# Altium PCB adafruit flora mainboard 2 -  4拼版.PcbDoc (part 2 of 2)
Units mm, origin at the board's own origin, x right, y up, seen from the top; angles counter-clockwise.
Board outline 100 x 100 mm, 16 copper layers (Top, Route2, Route3, Route4, Route5, Route6, Route7, Route8, Route9, Route10, Route11, Route12, Route13, Route14, Route15, Bottom), stack 0.888 mm thick; 220 components, 39 nets, 636 pads, 188 vias.
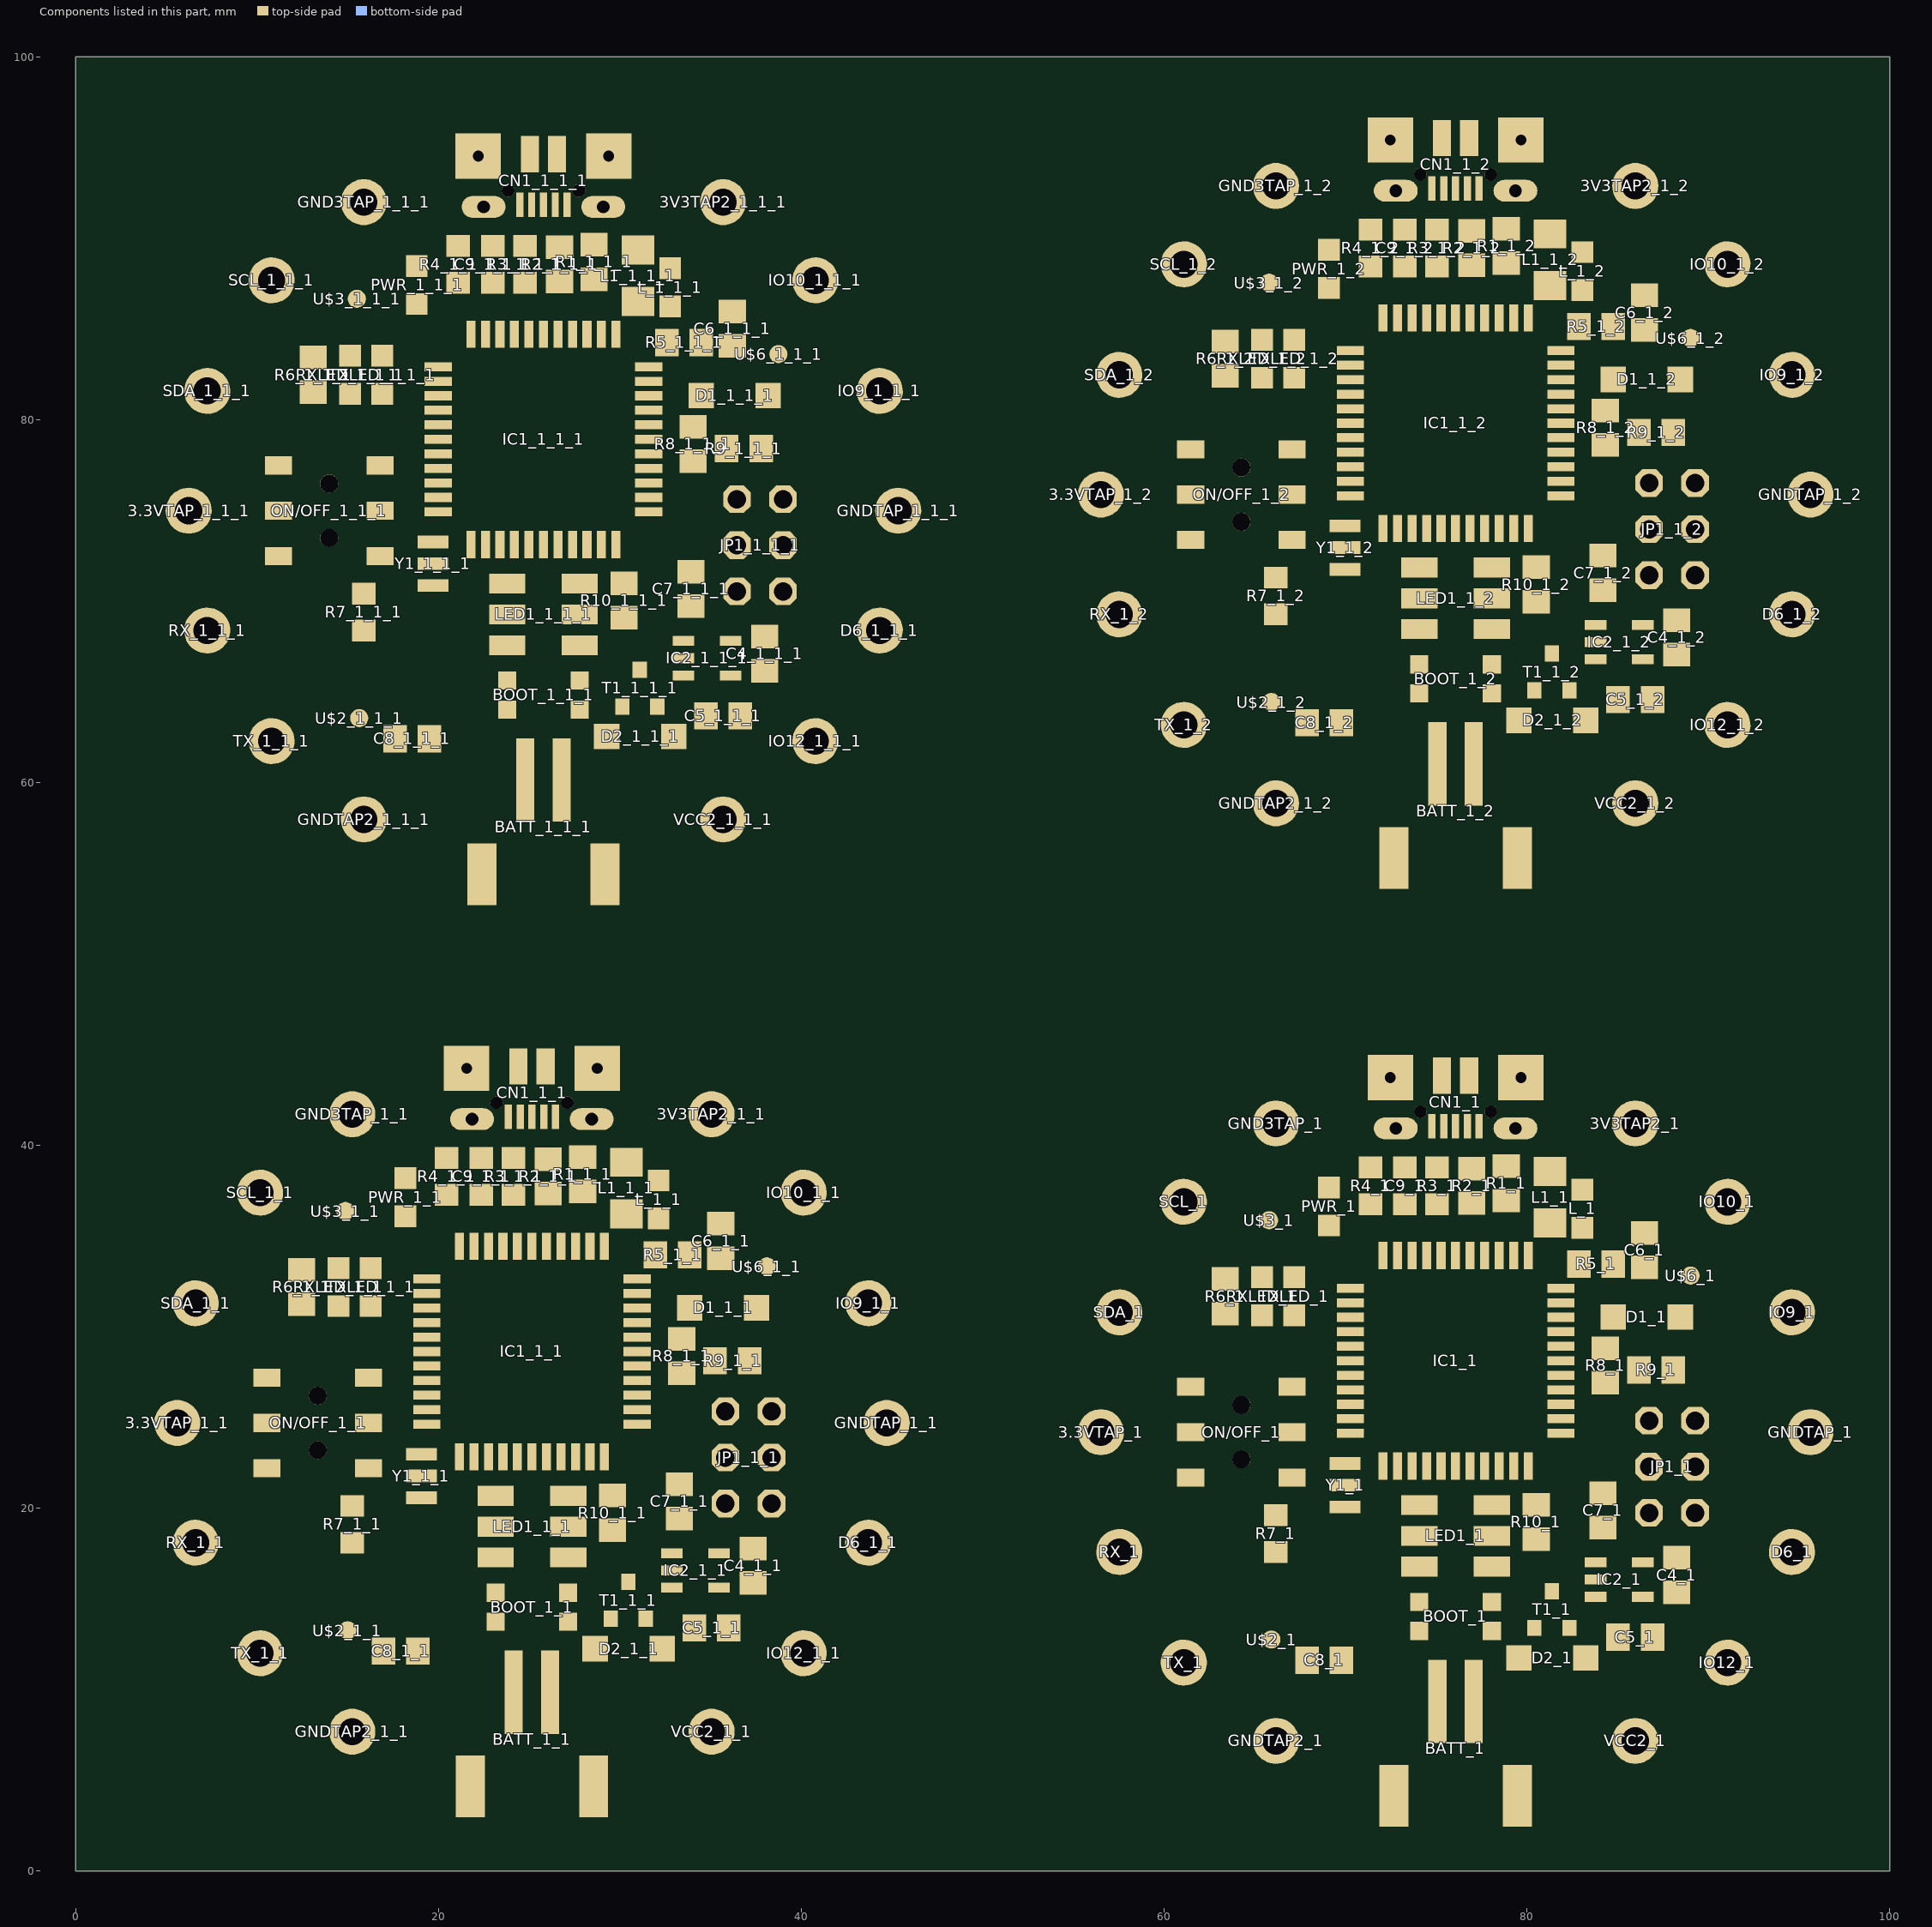
[diagram p2: the components of this part, seen from the top]

## Via types
v1: diameter 0.8/0.8/0.8/0.8/0.8/0.8/0.8/0.8/0.8/0.8/0.8/0.8/0.8/0.8/0.8/0.8 (per signal layer), hole 0.394, Top to Bottom, tented both sides, 188 vias

## Nets (pads, with @x,y where several pads share a name; then routed paths per layer and width w, separated by ;. In a path a pad name is that pad's centre, name@x,y a point inside that pad or via, vN(x,y) a via of type N, cw(c..) or ccw(c..) an arc to the next point about the centre after c; other vN are vias at no path point) (continued)
copper on no net: | length 2702.6
  Top w0.254: 6.604,18.089 12.954,18.089 13.97,19.105 16.256,19.105 16.256,20.248 17.272,21.264 17.272,25.582 17.92,26.23 19.346,26.23 ; 7.239,68.381 13.589,68.381 14.605,69.397 16.891,69.397 16.891,70.54 17.907,71.556 17.907,75.874 18.555,76.522 19.981,76.522 ; 9.906,28.63 10.414,28.122 13.208,28.122 15.367,25.963 16.891,25.963 17.907,26.979 18.161,27.004 18.136,27.03 19.346,27.03 ; 10.16,11.993 11.049,11.993 16.383,17.327 16.383,18.343 16.764,18.724 16.764,19.867 17.78,20.883 17.78,25.201 18.034,25.455 19.304,25.455 19.329,25.43 19.346,25.43 ; 10.541,78.922 11.049,78.414 13.843,78.414 16.002,76.255 17.526,76.255 18.542,77.271 18.796,77.296 18.771,77.322 19.981,77.322 ; 10.795,62.285 11.684,62.285 17.018,67.619 17.018,68.635 17.399,69.016 17.399,70.159 18.415,71.175 18.415,75.493 18.669,75.747 19.939,75.747 19.964,75.722 19.981,75.722 ; 10.922,12.755 10.922,13.009 ; 11.557,63.047 11.557,63.301 ; 12.48,33.236 14.478,33.236 ; 13.115,83.528 15.113,83.528 ; v1(13.716,16.438) 15.24,17.962 15.24,18.089 ; v1(14.351,66.73) 15.875,68.254 15.875,68.381 ; 14.478,31.136 14.478,31.678 14.986,32.186 17.272,32.186 20.828,35.742 23.114,35.742 23.495,35.361 23.495,34.48 ; 15.113,81.428 15.113,81.97 15.621,82.478 17.907,82.478 21.463,86.034 23.749,86.034 24.13,85.653 24.13,84.772 ; 15.24,20.121 13.904,21.391 v1(13.843,21.391) 14.478,22.026 14.478,24.693 15.621,24.693 ; 15.875,70.413 14.539,71.683 v1(14.478,71.683) 15.113,72.318 15.113,74.985 16.256,74.985 ; 16.256,31.136 16.417,31.136 ; 16.29,33.202 16.256,33.236 17.145,33.329 20.447,36.631 20.447,37.266 ; 16.383,31.17 16.417,31.136 ; 16.891,81.428 17.052,81.428 ; 16.925,83.494 16.891,83.528 17.78,83.621 21.082,86.923 21.082,87.558 ; 17.018,81.462 17.052,81.428 ; v1(17.145,28.63) 16.417,29.358 16.417,31.136 ; v1(17.526,31.17) 18.034,30.662 18.034,28.122 18.326,27.829 19.346,27.829 ; v1(17.78,78.922) 17.052,79.65 17.052,81.428 ; v1(17.907,19.359) 18.358,19.683 19.05,20.572 ; 18.161,38.189 18.322,38.282 23.622,38.282 24.13,38.79 24.13,39.298 ; v1(18.161,81.462) 18.669,80.954 18.669,78.414 18.961,78.121 19.981,78.121 ; v1(18.542,69.651) 18.993,69.975 19.685,70.864 ; 18.796,88.481 18.957,88.574 24.257,88.574 24.765,89.082 24.765,89.59 ; 19.05,22.971 19.653,22.953 20.034,23.518 21.59,25.074 21.59,26.344 22.225,26.979 22.225,27.741 22.098,27.995 20.701,29.392 ; 19.346,24.63 19.304,24.672 19.304,24.693 20.193,24.693 20.828,25.328 v1(20.828,25.836) ; 19.346,31.03 20.587,31.03 24.384,27.233 ; 19.346,31.829 21.057,31.829 v1(21.59,31.297) ; 19.685,73.263 20.288,73.245 20.669,73.81 22.225,75.366 22.225,76.636 22.86,77.271 22.86,78.033 22.733,78.287 21.336,79.684 ; 19.981,74.922 19.939,74.964 19.939,74.985 20.828,74.985 21.463,75.62 v1(21.463,76.128) ; 19.981,81.322 21.222,81.322 25.019,77.525 ; 19.981,82.121 21.692,82.121 v1(22.225,81.589) ; 21.146,34.43 21.104,34.472 21.082,34.472 21.082,33.075 24.638,29.519 v1(26.162,29.519) ; v1(21.717,13.644) v1@21.844,13.771 ; 21.781,84.722 21.739,84.764 21.717,84.764 21.717,83.367 25.273,79.811 v1(26.797,79.811) ; 21.946,22.829 21.946,23.652 24.384,26.09 24.384,27.233 ; 21.946,34.43 21.946,33.099 24.511,30.535 v1(26.289,30.535) ; 22.352,37.266 24.346,35.272 24.346,34.43 24.257,34.43 v1(24.257,32.821) ; v1(22.352,63.936) v1@22.479,64.063 ; 22.581,73.121 22.581,73.944 25.019,76.382 25.019,77.525 ; 22.581,84.722 22.581,83.391 25.146,80.827 v1(26.924,80.827) ; 22.746,34.43 22.746,33.189 24.511,31.424 v1(25.4,31.424) ; 22.987,87.558 24.981,85.564 24.981,84.722 24.892,84.722 v1(24.892,83.113) ; 23.146,18.978 24.003,18.978 25.019,17.962 25.019,16.946 25.654,16.311 30.074,16.311 30.455,15.93 ; 23.381,84.722 23.381,83.481 25.146,81.716 v1(26.035,81.716) ; 23.546,22.829 23.546,21.645 24.511,21.645 25.019,21.137 v1(25.019,19.232) ; 23.781,69.27 24.638,69.27 25.654,68.254 25.654,67.238 26.289,66.603 30.709,66.603 31.09,66.222 ; 24.13,37.266 24.273,37.25 24.273,37.139 25.146,36.139 25.146,34.43 25.146,33.075 26.924,31.297 28.067,31.297 ; 24.181,73.121 24.181,71.937 25.146,71.937 25.654,71.429 v1(25.654,69.524) ; 24.346,22.829 24.346,24.604 v1(24.384,24.566) ; 24.765,87.558 24.908,87.542 24.908,87.431 25.781,86.431 25.781,84.722 25.781,83.367 27.559,81.589 28.702,81.589 ; 24.981,73.121 24.981,74.896 v1(25.019,74.858) ; 25.146,22.829 25.146,21.772 25.527,21.391 25.527,20.121 26.035,19.613 27.146,18.978 ; 25.146,41.571 25.146,40.441 25.781,39.806 26.035,39.806 26.035,39.232 ; v1(25.4,25.582) 25.908,25.074 25.908,22.919 ; v1(25.654,27.233) 26.67,26.344 26.67,22.906 26.746,22.829 ; 25.758,28.653 28.067,28.676 28.067,31.297 ; 25.781,73.121 25.781,72.064 26.162,71.683 26.162,70.413 26.67,69.905 27.781,69.27 ; 25.781,91.863 25.781,90.733 26.416,90.098 26.67,90.098 26.67,89.524 ; 25.796,41.571 25.796,40.68 26.035,40.441 26.731,40.441 27.94,39.359 ; 25.845,28.566 25.717,28.566 24.384,27.233 ; 25.946,22.829 25.908,22.919 ; 26.035,22.661 25.908,22.919 ; 26.035,37.332 26.289,37.078 26.289,36.885 26.924,36.25 26.924,35.996 26.67,35.742 26.67,34.506 26.746,34.43 ; v1(26.035,75.874) 26.543,75.366 26.543,73.211 ; v1(26.289,77.525) 27.305,76.636 27.305,73.198 27.381,73.121 ; 26.393,78.945 28.702,78.968 28.702,81.589 ; 26.431,91.863 26.431,90.972 26.67,90.733 27.366,90.733 28.575,89.651 ; 26.446,41.571 26.81,41.571 27.94,40.441 28.854,40.441 30.353,39.068 ; 26.479,78.858 26.352,78.858 25.019,77.525 ; 26.581,73.121 26.543,73.211 ; 26.67,72.953 26.543,73.211 ; 26.67,87.624 26.924,87.37 26.924,87.177 27.559,86.542 27.559,86.288 27.305,86.034 27.305,84.798 27.381,84.722 ; 27.081,91.863 27.445,91.863 28.575,90.733 29.489,90.733 30.988,89.36 ; 27.146,20.678 27.158,20.69 29.591,20.69 ; 27.546,34.43 27.546,35.475 27.94,35.869 27.94,37.459 27.546,37.192 ; 27.686,25.836 28.956,24.566 30.988,24.566 ; 27.781,70.97 27.793,70.982 30.226,70.982 ; 27.813,39.425 27.94,39.359 ; 27.813,39.806 27.94,39.359 ; 28.181,84.722 28.181,85.767 28.575,86.161 28.575,87.751 28.181,87.484 ; 28.321,76.128 29.591,74.858 31.623,74.858 ; 28.448,89.717 28.575,89.651 ; 28.448,90.098 28.575,89.651 ; v1(28.956,15.041) 28.956,14.406 29.464,13.898 29.489,13.898 ; 29.146,34.43 29.104,34.472 29.083,34.472 29.083,37.647 31.75,37.647 32.131,38.062 ; 29.591,18.79 30.033,18.79 v1(31.115,17.708) ; v1(29.591,65.333) 29.591,64.698 30.099,64.19 30.124,64.19 ; 29.781,84.722 29.739,84.764 29.718,84.764 29.718,87.939 32.385,87.939 32.766,88.354 ; 30.226,69.082 30.668,69.082 v1(31.75,68) ; v1(30.353,34.726) 30.353,36.225 ; 30.455,12.374 30.48,12.374 ; v1(30.48,10.596) 30.48,12.374 ; 30.946,30.23 31.928,30.23 32.131,30.027 32.131,29.011 32.766,27.487 33.34,27.487 33.401,27.426 34.356,27.426 35.052,28.122 35.245,28.122 ; v1(30.988,85.018) 30.988,86.517 ; 31.09,62.666 31.115,62.666 ; v1(31.115,60.888) 31.115,62.666 ; 31.242,24.693 31.115,24.566 30.988,24.566 ; 31.496,13.771 30.48,12.755 30.48,12.374 ; 31.581,80.522 32.563,80.522 32.766,80.319 32.766,79.303 33.401,77.779 33.975,77.779 34.036,77.718 34.991,77.718 35.687,78.414 35.88,78.414 ; 31.877,74.985 31.75,74.858 31.623,74.858 ; 31.943,33.964 32.081,35.726 32.081,35.776 32.131,35.962 ; 32.131,64.063 31.115,63.047 31.115,62.666 ; v1(32.385,31.043) 30.959,31.043 30.946,31.03 31.864,31.03 32.258,31.424 32.258,32.313 31.877,32.694 31.01,32.694 30.946,32.63 30.988,32.588 30.988,32.567 29.337,32.567 28.067,31.297 ; 32.578,84.256 32.716,86.018 32.716,86.068 32.766,86.254 ; v1(32.639,24.693) 33.401,24.693 35.179,26.471 38.862,26.471 43.688,31.297 ; 32.863,15.615 32.863,15.646 32.893,15.676 ; v1(32.893,25.836) 33.782,25.836 34.925,26.979 38.481,26.979 40.132,28.63 40.132,37.393 ; v1(33.02,81.335) 31.594,81.335 31.581,81.322 32.499,81.322 32.893,81.716 32.893,82.605 32.512,82.986 31.645,82.986 31.581,82.922 31.623,82.88 31.623,82.859 29.972,82.859 28.702,81.589 ; 33.274,19.359 32.385,19.359 32.004,19.74 32.004,24.058 31.496,24.566 31.01,24.566 30.946,24.63 ; 33.274,19.425 33.553,19.425 35.463,17.515 ; v1(33.274,74.985) 34.036,74.985 35.814,76.763 39.497,76.763 44.323,81.589 ; 33.401,29.326 36.637,29.326 37.537,30.225 37.537,31.043 38.553,32.059 v1(38.989,32.059) ; 33.498,65.907 33.498,65.938 33.528,65.968 ; 33.528,31.297 33.837,31.043 33.837,32.13 v1(33.528,32.44) ; v1(33.528,76.128) 34.417,76.128 35.56,77.271 39.116,77.271 40.767,78.922 40.767,87.685 ; 33.655,13.517 33.975,13.517 34.102,13.39 ; 33.909,69.651 33.02,69.651 32.639,70.032 32.639,74.35 32.131,74.858 31.645,74.858 31.581,74.922 ; 33.909,69.717 34.188,69.717 36.098,67.807 ; 34.036,79.618 37.272,79.618 38.172,80.517 38.172,81.335 39.188,82.351 v1(39.624,82.351) ; 34.163,81.589 34.472,81.335 34.472,82.422 v1(34.163,82.732) ; 34.29,63.809 34.61,63.809 34.737,63.682 ; 35.433,38.409 35.56,38.282 35.56,35.676 36.068,35.676 36.83,34.914 v1(36.83,32.567) ; 36.068,88.701 36.195,88.574 36.195,85.968 36.703,85.968 37.465,85.206 v1(37.465,82.859) ; 57.531,17.581 63.881,17.581 64.897,18.597 67.183,18.597 67.183,19.74 68.199,20.756 68.199,25.074 68.847,25.722 70.273,25.722 ; 57.531,69.27 63.881,69.27 64.897,70.286 67.183,70.286 67.183,71.429 68.199,72.445 68.199,76.763 68.847,77.411 70.273,77.411 ; 60.833,28.122 61.341,27.614 64.135,27.614 66.294,25.455 67.818,25.455 68.834,26.471 69.088,26.496 69.063,26.522 70.273,26.522 ; 60.833,79.811 61.341,79.303 64.135,79.303 66.294,77.144 67.818,77.144 68.834,78.16 69.088,78.185 69.063,78.211 70.273,78.211 ; 61.087,11.485 61.976,11.485 67.31,16.819 67.31,17.835 67.691,18.216 67.691,19.359 68.707,20.375 68.707,24.693 68.961,24.947 70.231,24.947 70.256,24.922 70.273,24.922 ; 61.087,63.174 61.976,63.174 67.31,68.508 67.31,69.524 67.691,69.905 67.691,71.048 68.707,72.064 68.707,76.382 68.961,76.636 70.231,76.636 70.256,76.611 70.273,76.611 ; 61.849,12.247 61.849,12.501 ; 61.849,63.936 61.849,64.19 ; 63.407,32.728 65.405,32.728 ; 63.407,84.417 65.405,84.417 ; v1(64.643,15.93) 66.167,17.454 66.167,17.581 ; v1(64.643,67.619) 66.167,69.143 66.167,69.27 ; 65.405,30.628 65.405,31.17 65.913,31.678 68.199,31.678 71.755,35.234 74.041,35.234 74.422,34.853 74.422,33.972 ; 65.405,82.317 65.405,82.859 65.913,83.367 68.199,83.367 71.755,86.923 74.041,86.923 74.422,86.542 74.422,85.661 ; 66.167,19.613 64.831,20.883 v1(64.77,20.883) 65.405,21.518 65.405,24.185 66.548,24.185 ; 66.167,71.302 64.831,72.572 v1(64.77,72.572) 65.405,73.207 65.405,75.874 66.548,75.874 ; 67.183,30.628 67.344,30.628 ; 67.183,82.317 67.344,82.317 ; 67.217,32.694 67.183,32.728 68.072,32.821 71.374,36.123 71.374,36.758 ; 67.217,84.383 67.183,84.417 68.072,84.51 71.374,87.812 71.374,88.447 ; 67.31,30.662 67.344,30.628 ; 67.31,82.351 67.344,82.317 ; v1(68.072,28.122) 67.344,28.85 67.344,30.628 ; v1(68.072,79.811) 67.344,80.539 67.344,82.317 ; v1(68.453,30.662) 68.961,30.154 68.961,27.614 69.253,27.321 70.273,27.321 ; v1(68.453,82.351) 68.961,81.843 68.961,79.303 69.253,79.01 70.273,79.01 ; v1(68.834,18.851) 69.285,19.175 69.977,20.064 ; v1(68.834,70.54) 69.285,70.864 69.977,71.753 ; 69.088,37.681 69.249,37.774 74.549,37.774 75.057,38.282 75.057,38.79 ; 69.088,89.37 69.249,89.463 74.549,89.463 75.057,89.971 75.057,90.479 ; 69.977,22.463 70.58,22.445 70.961,23.01 72.517,24.566 72.517,25.836 73.152,26.471 73.152,27.233 73.025,27.487 71.628,28.884 ; 69.977,74.152 70.58,74.134 70.961,74.699 72.517,76.255 72.517,77.525 73.152,78.16 73.152,78.922 73.025,79.176 71.628,80.573 ; 70.273,24.122 70.231,24.164 70.231,24.185 71.12,24.185 71.755,24.82 v1(71.755,25.328) ; 70.273,30.522 71.514,30.522 75.311,26.725 ; 70.273,31.321 71.984,31.321 v1(72.517,30.789) ; 70.273,75.811 70.231,75.853 70.231,75.874 71.12,75.874 71.755,76.509 v1(71.755,77.017) ; 70.273,82.211 71.514,82.211 75.311,78.414 ; 70.273,83.01 71.984,83.01 v1(72.517,82.478) ; 72.073,33.922 72.031,33.964 72.009,33.964 72.009,32.567 75.565,29.011 v1(77.089,29.011) ; 72.073,85.611 72.031,85.653 72.009,85.653 72.009,84.256 75.565,80.7 v1(77.089,80.7) ; v1(72.644,13.136) v1@72.771,13.263 ; v1(72.644,64.825) v1@72.771,64.952 ; 72.873,22.321 72.873,23.144 75.311,25.582 75.311,26.725 ; 72.873,33.922 72.873,32.591 75.438,30.027 v1(77.216,30.027) ; 72.873,74.01 72.873,74.833 75.311,77.271 75.311,78.414 ; 72.873,85.611 72.873,84.28 75.438,81.716 v1(77.216,81.716) ; 73.279,36.758 75.273,34.764 75.273,33.922 75.184,33.922 v1(75.184,32.313) ; 73.279,88.447 75.273,86.453 75.273,85.611 75.184,85.611 v1(75.184,84.002) ; 73.673,33.922 73.673,32.681 75.438,30.916 v1(76.327,30.916) ; 73.673,85.611 73.673,84.37 75.438,82.605 v1(76.327,82.605) ; 74.073,18.47 74.93,18.47 75.946,17.454 75.946,16.438 76.581,15.803 81.001,15.803 81.382,15.422 ; 74.073,70.159 74.93,70.159 75.946,69.143 75.946,68.127 76.581,67.492 81.001,67.492 81.382,67.111 ; 74.473,22.321 74.473,21.137 75.438,21.137 75.946,20.629 v1(75.946,18.724) ; 74.473,74.01 74.473,72.826 75.438,72.826 75.946,72.318 v1(75.946,70.413) ; 75.057,36.758 75.2,36.742 75.2,36.631 76.073,35.631 76.073,33.922 76.073,32.567 77.851,30.789 78.994,30.789 ; 75.057,88.447 75.2,88.431 75.2,88.32 76.073,87.32 76.073,85.611 76.073,84.256 77.851,82.478 78.994,82.478 ; 75.273,22.321 75.273,24.096 v1(75.311,24.058) ; 75.273,74.01 75.273,75.785 v1(75.311,75.747) ; 76.073,22.321 76.073,21.264 76.454,20.883 76.454,19.613 76.962,19.105 78.073,18.47 ; 76.073,41.063 76.073,39.933 76.708,39.298 76.962,39.298 76.962,38.724 ; 76.073,74.01 76.073,72.953 76.454,72.572 76.454,71.302 76.962,70.794 78.073,70.159 ; 76.073,92.752 76.073,91.622 76.708,90.987 76.962,90.987 76.962,90.413 ; v1(76.327,25.074) 76.835,24.566 76.835,22.411 ; v1(76.327,76.763) 76.835,76.255 76.835,74.1 ; v1(76.581,26.725) 77.597,25.836 77.597,22.398 77.673,22.321 ; v1(76.581,78.414) 77.597,77.525 77.597,74.087 77.673,74.01 ; 76.685,28.145 78.994,28.168 78.994,30.789 ; 76.685,79.834 78.994,79.857 78.994,82.478 ; 76.723,41.063 76.723,40.172 76.962,39.933 77.658,39.933 78.867,38.851 ; 76.723,92.752 76.723,91.861 76.962,91.622 77.658,91.622 78.867,90.54 ; 76.772,28.058 76.644,28.058 75.311,26.725 ; 76.772,79.747 76.644,79.747 75.311,78.414 ; 76.873,22.321 76.835,22.411 ; 76.873,74.01 76.835,74.1 ; 76.962,22.153 76.835,22.411 ; 76.962,36.824 77.216,36.57 77.216,36.377 77.851,35.742 77.851,35.488 77.597,35.234 77.597,33.998 77.673,33.922 ; 76.962,73.842 76.835,74.1 ; 76.962,88.513 77.216,88.259 77.216,88.066 77.851,87.431 77.851,87.177 77.597,86.923 77.597,85.687 77.673,85.611 ; 77.373,41.063 77.737,41.063 78.867,39.933 79.781,39.933 81.28,38.56 ; 77.373,92.752 77.737,92.752 78.867,91.622 79.781,91.622 81.28,90.249 ; 78.073,20.17 78.085,20.182 80.518,20.182 ; 78.073,71.859 78.085,71.871 80.518,71.871 ; 78.473,33.922 78.473,34.967 78.867,35.361 78.867,36.951 78.473,36.684 ; 78.473,85.611 78.473,86.656 78.867,87.05 78.867,88.64 78.473,88.373 ; 78.613,25.328 79.883,24.058 81.915,24.058 ; 78.613,77.017 79.883,75.747 81.915,75.747 ; 78.74,38.917 78.867,38.851 ; 78.74,39.298 78.867,38.851 ; 78.74,90.606 78.867,90.54 ; 78.74,90.987 78.867,90.54 ; v1(79.883,14.533) 79.883,13.898 80.391,13.39 80.416,13.39 ; v1(79.883,66.222) 79.883,65.587 80.391,65.079 80.416,65.079 ; 80.073,33.922 80.031,33.964 80.01,33.964 80.01,37.139 82.677,37.139 83.058,37.554 ; 80.073,85.611 80.031,85.653 80.01,85.653 80.01,88.828 82.677,88.828 83.058,89.243 ; 80.518,18.282 80.96,18.282 v1(82.042,17.2) ; 80.518,69.971 80.96,69.971 v1(82.042,68.889) ; v1(81.28,34.218) 81.28,35.717 ; v1(81.28,85.907) 81.28,87.406 ; 81.382,11.866 81.407,11.866 ; 81.382,63.555 81.407,63.555 ; v1(81.407,10.088) 81.407,11.866 ; v1(81.407,61.777) 81.407,63.555 ; 81.873,29.722 82.855,29.722 83.058,29.519 83.058,28.503 83.693,26.979 84.267,26.979 84.328,26.918 85.283,26.918 85.979,27.614 86.172,27.614 ; 81.873,81.411 82.855,81.411 83.058,81.208 83.058,80.192 83.693,78.668 84.267,78.668 84.328,78.607 85.283,78.607 85.979,79.303 86.172,79.303 ; 82.169,24.185 82.042,24.058 81.915,24.058 ; 82.169,75.874 82.042,75.747 81.915,75.747 ; 82.423,13.263 81.407,12.247 81.407,11.866 ; 82.423,64.952 81.407,63.936 81.407,63.555 ; 82.87,33.456 83.008,35.218 83.008,35.268 83.058,35.454 ; 82.87,85.145 83.008,86.907 83.008,86.957 83.058,87.143 ; v1(83.312,30.535) 81.886,30.535 81.873,30.522 82.791,30.522 83.185,30.916 83.185,31.805 82.804,32.186 81.937,32.186 81.873,32.122 81.915,32.08 81.915,32.059 80.264,32.059 78.994,30.789 ; v1(83.312,82.224) 81.886,82.224 81.873,82.211 82.791,82.211 83.185,82.605 83.185,83.494 82.804,83.875 81.937,83.875 81.873,83.811 81.915,83.769 81.915,83.748 80.264,83.748 78.994,82.478 ; v1(83.566,24.185) 84.328,24.185 86.106,25.963 89.789,25.963 94.615,30.789 ; v1(83.566,75.874) 84.328,75.874 86.106,77.652 89.789,77.652 94.615,82.478 ; 83.79,15.107 83.79,15.138 83.82,15.168 ; 83.79,66.796 83.79,66.827 83.82,66.857 ; v1(83.82,25.328) 84.709,25.328 85.852,26.471 89.408,26.471 91.059,28.122 91.059,36.885 ; v1(83.82,77.017) 84.709,77.017 85.852,78.16 89.408,78.16 91.059,79.811 91.059,88.574 ; 84.201,18.851 83.312,18.851 82.931,19.232 82.931,23.55 82.423,24.058 81.937,24.058 81.873,24.122 ; 84.201,18.917 84.48,18.917 86.39,17.007 ; 84.201,70.54 83.312,70.54 82.931,70.921 82.931,75.239 82.423,75.747 81.937,75.747 81.873,75.811 ; 84.201,70.606 84.48,70.606 86.39,68.696 ; 84.328,28.818 87.564,28.818 88.464,29.717 88.464,30.535 89.48,31.551 v1(89.916,31.551) ; 84.328,80.507 87.564,80.507 88.464,81.406 88.464,82.224 89.48,83.24 v1(89.916,83.24) ; 84.455,30.789 84.764,30.535 84.764,31.622 v1(84.455,31.932) ; 84.455,82.478 84.764,82.224 84.764,83.311 v1(84.455,83.621) ; 84.582,13.009 84.902,13.009 85.029,12.882 ; 84.582,64.698 84.902,64.698 85.029,64.571 ; 86.36,37.901 86.487,37.774 86.487,35.168 86.995,35.168 87.757,34.406 v1(87.757,32.059) ; 86.36,89.59 86.487,89.463 86.487,86.857 86.995,86.857 87.757,86.095 v1(87.757,83.748) ; 30.946,24.63 30.946,24.607 30.988,24.566 ; 30.946,24.63 30.988,24.588 30.988,24.566 ; 31.581,74.922 31.623,74.88 31.623,74.858 ; 31.581,74.922 31.581,74.899 31.623,74.858 ; 81.873,24.122 81.915,24.08 81.915,24.058 ; 81.873,24.122 81.873,24.099 81.915,24.058 ; 81.873,75.811 81.873,75.788 81.915,75.747 ; 81.873,75.811 81.915,75.769 81.915,75.747
  Top w0.305: 12.446,33.136 12.446,33.202 12.48,33.236 ; 13.081,83.428 13.081,83.494 13.115,83.528 ; 19.346,28.63 20.574,28.63 21.209,27.995 v1(21.209,27.36) ; 19.346,29.43 19.393,29.43 19.431,29.392 20.701,29.392 ; 19.981,78.922 21.209,78.922 21.844,78.287 v1(21.844,77.652) ; 19.981,79.722 20.028,79.722 20.066,79.684 21.336,79.684 ; v1(21.717,13.644) 21.717,13.732 23.146,13.732 ; v1(22.352,63.936) 22.352,64.024 23.781,64.024 ; 22.987,13.732 23.146,13.732 ; 23.495,34.48 23.546,34.43 ; 23.622,64.024 23.781,64.024 ; 24.13,84.772 24.181,84.722 ; 25.758,28.653 25.845,28.566 27.686,26.725 27.686,25.836 ; 26.393,78.945 26.479,78.858 28.321,77.017 28.321,76.128 ; 27.178,13.644 27.178,13.732 27.146,13.732 27.013,13.732 26.289,13.009 23.87,13.009 23.146,13.732 ; 27.813,63.936 27.813,64.024 27.781,64.024 27.648,64.024 26.924,63.301 24.505,63.301 23.781,64.024 ; 30.353,38.79 30.353,39.068 ; 30.988,89.082 30.988,89.36 ; 34.29,39.552 35.433,38.409 ; 34.925,89.844 36.068,88.701 ; 63.373,32.628 63.373,32.694 63.407,32.728 ; 63.373,84.317 63.373,84.383 63.407,84.417 ; 70.273,28.122 71.501,28.122 72.136,27.487 v1(72.136,26.852) ; 70.273,28.922 70.32,28.922 70.358,28.884 71.628,28.884 ; 70.273,79.811 71.501,79.811 72.136,79.176 v1(72.136,78.541) ; 70.273,80.611 70.32,80.611 70.358,80.573 71.628,80.573 ; v1(72.644,13.136) 72.644,13.224 74.073,13.224 ; v1(72.644,64.825) 72.644,64.913 74.073,64.913 ; 73.914,13.224 74.073,13.224 ; 73.914,64.913 74.073,64.913 ; 74.422,33.972 74.473,33.922 ; 74.422,85.661 74.473,85.611 ; 76.685,28.145 76.772,28.058 78.613,26.217 78.613,25.328 ; 76.685,79.834 76.772,79.747 78.613,77.906 78.613,77.017 ; 78.105,13.136 78.105,13.224 78.073,13.224 77.94,13.224 77.216,12.501 74.797,12.501 74.073,13.224 ; 78.105,64.825 78.105,64.913 78.073,64.913 77.94,64.913 77.216,64.19 74.797,64.19 74.073,64.913 ; 81.28,38.282 81.28,38.56 ; 81.28,89.971 81.28,90.249 ; 85.217,39.044 86.36,37.901 ; 85.217,90.733 86.36,89.59
  Top w0.406: 15.621,24.693 16.135,24.693 ; 16.256,74.985 16.77,74.985 ; 18.857,12.12 18.857,14.594 20.955,16.692 20.955,20.883 21.946,21.874 21.946,22.829 ; 19.492,62.412 19.492,64.886 21.59,66.984 21.59,71.175 22.581,72.166 22.581,73.121 ; 22.987,13.732 22.987,13.898 ; 23.622,64.024 23.622,64.19 ; 30.455,15.93 31.75,15.93 ; 31.09,66.222 32.385,66.222 ; v1(31.115,17.708) 31.115,17.515 31.75,17.515 ; v1(31.75,68) 31.75,67.807 32.385,67.807 ; 32.863,17.515 31.75,17.515 ; 33.02,15.676 32.893,15.676 ; 33.274,19.359 33.274,19.425 ; 33.498,67.807 32.385,67.807 ; 33.655,65.968 33.528,65.968 ; 33.909,69.651 33.909,69.717 ; 37.338,15.869 37.338,15.692 36.306,14.66 34.417,14.66 33.655,13.898 32.893,14.66 32.893,15.676 ; 37.973,66.161 37.973,65.984 36.941,64.952 35.052,64.952 34.29,64.19 33.528,64.952 33.528,65.968 ; 66.548,24.185 67.062,24.185 ; 66.548,75.874 67.062,75.874 ; 69.784,11.612 69.784,14.086 71.882,16.184 71.882,20.375 72.873,21.366 72.873,22.321 ; 69.784,63.301 69.784,65.775 71.882,67.873 71.882,72.064 72.873,73.055 72.873,74.01 ; 73.914,13.224 73.914,13.39 ; 73.914,64.913 73.914,65.079 ; 81.382,15.422 82.677,15.422 ; 81.382,67.111 82.677,67.111 ; v1(82.042,17.2) 82.042,17.007 82.677,17.007 ; v1(82.042,68.889) 82.042,68.696 82.677,68.696 ; 83.79,17.007 82.677,17.007 ; 83.79,68.696 82.677,68.696 ; 83.947,15.168 83.82,15.168 ; 83.947,66.857 83.82,66.857 ; 84.201,18.851 84.201,18.917 ; 84.201,70.54 84.201,70.606 ; 88.265,15.361 88.265,15.184 87.233,14.152 85.344,14.152 84.582,13.39 83.82,14.152 83.82,15.168 ; 88.265,67.05 88.265,66.873 87.233,65.841 85.344,65.841 84.582,65.079 83.82,65.841 83.82,66.857 ; 31.75,15.93 31.75,15.676 32.893,15.676 ; 31.75,15.93 31.75,17.515 ; 32.385,66.222 32.385,67.807 ; 32.385,66.222 32.385,65.968 33.528,65.968 ; 82.677,15.422 82.677,17.007 ; 82.677,15.422 82.677,15.168 83.82,15.168 ; 82.677,67.111 82.677,66.857 83.82,66.857 ; 82.677,67.111 82.677,68.696
  Top w0.61: 6.604,18.089 6.731,17.962 ; 6.604,31.297 6.604,31.17 7.366,31.17 9.906,28.63 ; 7.239,68.381 7.366,68.254 ; 7.239,81.589 7.239,81.462 8.001,81.462 10.541,78.922 ; 10.16,11.993 10.922,12.755 ; 10.795,62.285 11.557,63.047 ; 15.24,41.711 16.129,41.711 ; 15.875,92.003 16.764,92.003 ; 16.957,12.12 17.018,12.12 17.018,10.596 17.018,10.469 ; 17.592,62.412 17.653,62.412 17.653,60.888 17.653,60.761 ; v1(18.669,9.834) 18.907,10.072 18.857,10.122 18.857,12.12 18.923,12.12 18.923,12.247 ; v1(19.304,60.126) 19.542,60.364 19.492,60.414 19.492,62.412 19.558,62.412 19.558,62.539 ; 24.146,9.851 24.146,7.151 24.892,6.405 26.67,6.405 28.63,8.365 28.63,12.247 ; 24.781,60.143 24.781,57.443 25.527,56.697 27.305,56.697 29.265,58.657 29.265,62.539 ; 31.42,13.898 31.42,13.847 31.496,13.771 32.33,12.937 32.33,12.247 32.385,12.247 ; 32.055,64.19 32.055,64.139 32.131,64.063 32.965,63.229 32.965,62.539 33.02,62.539 ; 33.655,13.898 33.655,13.517 33.655,9.199 35.052,7.802 35.052,7.675 ; 34.29,39.552 34.29,40.949 35.052,41.711 ; 34.29,64.19 34.29,63.809 34.29,59.491 35.687,58.094 35.687,57.967 ; 34.925,89.844 34.925,91.241 35.687,92.003 ; 57.531,17.581 57.658,17.454 ; 57.531,30.789 57.531,30.662 58.293,30.662 60.833,28.122 ; 57.531,69.27 57.658,69.143 ; 57.531,82.478 57.531,82.351 58.293,82.351 60.833,79.811 ; 61.087,11.485 61.849,12.247 ; 61.087,63.174 61.849,63.936 ; 66.167,41.203 67.056,41.203 ; 66.167,92.892 67.056,92.892 ; 67.884,11.612 67.945,11.612 67.945,10.088 67.945,9.961 ; 67.884,63.301 67.945,63.301 67.945,61.777 67.945,61.65 ; v1(69.596,9.326) 69.834,9.564 69.784,9.614 69.784,11.612 69.85,11.612 69.85,11.739 ; v1(69.596,61.015) 69.834,61.253 69.784,61.303 69.784,63.301 69.85,63.301 69.85,63.428 ; 75.073,9.343 75.073,6.643 75.819,5.897 77.597,5.897 79.557,7.857 79.557,11.739 ; 75.073,61.032 75.073,58.332 75.819,57.586 77.597,57.586 79.557,59.546 79.557,63.428 ; 82.347,13.39 82.347,13.339 82.423,13.263 83.257,12.429 83.257,11.739 83.312,11.739 ; 82.347,65.079 82.347,65.028 82.423,64.952 83.257,64.118 83.257,63.428 83.312,63.428 ; 84.582,13.39 84.582,13.009 84.582,8.691 85.979,7.294 85.979,7.167 ; 84.582,65.079 84.582,64.698 84.582,60.38 85.979,58.983 85.979,58.856 ; 85.217,39.044 85.217,40.441 85.979,41.203 ; 85.217,90.733 85.217,92.13 85.979,92.892
  Top w0.813: 15.24,7.675 17.018,10.596 ; 15.875,57.967 17.653,60.888 ; 66.167,7.167 67.945,10.088 ; 66.167,58.856 67.945,61.777
  Top w1.016: 15.24,41.711 16.764,38.409 v1(15.748,37.647) ; 15.875,92.003 17.399,88.701 v1(16.383,87.939) ; 66.167,41.203 67.691,37.901 v1(66.675,37.139) ; 66.167,92.892 67.691,89.59 v1(66.675,88.828)
  Bottom w0.254: v1(13.716,16.438) 13.716,16.057 18.161,11.612 29.464,11.612 v1(30.48,10.596) ; v1(13.843,21.391) 13.843,17.835 18.923,12.755 26.67,12.755 v1(28.956,15.041) ; v1(14.351,66.73) 14.351,66.349 18.796,61.904 30.099,61.904 v1(31.115,60.888) ; v1(14.478,71.683) 14.478,68.127 19.558,63.047 27.305,63.047 v1(29.591,65.333) ; v1(17.145,28.63) 18.034,28.63 v1(20.828,25.836) ; v1(17.526,31.17) 17.526,35.361 ; v1(17.78,78.922) 18.669,78.922 v1(21.463,76.128) ; v1(18.161,81.462) 18.161,85.653 ; v1@21.59,31.551 v1(21.59,31.297) ; v1(21.717,13.644) 22.86,13.644 23.114,13.898 23.114,25.582 22.225,26.471 22.225,27.868 21.844,28.249 21.844,31.043 v1(21.59,31.297) ; v1@22.225,81.843 v1(22.225,81.589) ; v1(22.352,63.936) 23.495,63.936 23.749,64.19 23.749,75.874 22.86,76.763 22.86,78.16 22.479,78.541 22.479,81.335 v1(22.225,81.589) ; v1(24.257,32.821) 24.257,34.472 30.099,34.472 30.48,34.345 v1(30.353,34.726) 31.115,34.726 v1(33.528,32.44) ; v1(24.384,24.566) 26.289,24.566 28.956,21.899 28.956,17.708 29.845,16.692 36.449,16.692 38.354,14.787 40.386,14.787 43.688,18.089 43.815,18.089 ; v1(24.892,83.113) 24.892,84.764 30.734,84.764 31.115,84.637 v1(30.988,85.018) 31.75,85.018 v1(34.163,82.732) ; v1(25.019,19.232) 26.924,19.232 29.591,16.184 30.48,16.184 34.671,11.993 40.132,11.993 ; v1(25.019,74.858) 26.924,74.858 29.591,72.191 29.591,68 30.48,66.984 37.084,66.984 38.989,65.079 41.021,65.079 44.323,68.381 44.45,68.381 ; v1(25.4,25.582) 27.178,25.582 28.067,24.693 v1(32.639,24.693) ; v1(25.4,31.424) 29.083,31.424 30.988,29.392 32.639,29.392 34.671,27.36 34.671,24.693 35.306,24.058 37.211,24.058 38.354,22.915 38.354,22.788 ; v1(25.654,27.233) 26.162,27.741 30.353,27.741 32.385,25.836 v1(32.893,25.836) ; v1(25.654,69.524) 27.559,69.524 30.226,66.476 31.115,66.476 35.306,62.285 40.767,62.285 ; v1(26.035,75.874) 27.813,75.874 28.702,74.985 v1(33.274,74.985) ; v1(26.035,81.716) 29.718,81.716 31.623,79.684 33.274,79.684 35.306,77.652 35.306,74.985 35.941,74.35 37.846,74.35 38.989,73.207 38.989,73.08 ; v1(26.162,29.519) 28.829,29.519 30.099,28.376 32.004,28.376 33.655,26.725 33.655,23.296 35.433,21.518 37.211,21.518 38.354,20.375 38.354,20.248 ; v1(26.289,30.535) 28.702,30.535 30.353,28.884 32.385,28.884 34.163,27.106 34.163,24.439 35.814,22.788 ; v1(26.289,77.525) 26.797,78.033 30.988,78.033 33.02,76.128 v1(33.528,76.128) ; v1(26.797,79.811) 29.464,79.811 30.734,78.668 32.639,78.668 34.29,77.017 34.29,73.588 36.068,71.81 37.846,71.81 38.989,70.667 38.989,70.54 ; v1(26.924,80.827) 29.337,80.827 30.988,79.176 33.02,79.176 34.798,77.398 34.798,74.731 36.449,73.08 ; 38.354,25.328 38.481,25.201 38.481,25.582 37.084,26.979 36.068,26.979 33.147,29.9 31.496,29.9 29.337,32.059 26.289,32.059 26.035,32.313 25.019,32.313 24.003,31.297 v1(21.59,31.297) ; 38.989,75.62 39.116,75.493 39.116,75.874 37.719,77.271 36.703,77.271 33.782,80.192 32.131,80.192 29.972,82.351 26.924,82.351 26.67,82.605 25.654,82.605 24.638,81.589 v1(22.225,81.589) ; v1(64.643,15.93) 64.643,15.549 69.088,11.104 80.391,11.104 v1(81.407,10.088) ; v1(64.643,67.619) 64.643,67.238 69.088,62.793 80.391,62.793 v1(81.407,61.777) ; v1(64.77,20.883) 64.77,17.327 69.85,12.247 77.597,12.247 v1(79.883,14.533) ; v1(64.77,72.572) 64.77,69.016 69.85,63.936 77.597,63.936 v1(79.883,66.222) ; v1(68.072,28.122) 68.961,28.122 v1(71.755,25.328) ; v1(68.072,79.811) 68.961,79.811 v1(71.755,77.017) ; v1(68.453,30.662) 68.453,34.853 ; v1(68.453,82.351) 68.453,86.542 ; v1@72.517,31.043 v1(72.517,30.789) ; v1@72.517,82.732 v1(72.517,82.478) ; v1(72.644,13.136) 73.787,13.136 74.041,13.39 74.041,25.074 73.152,25.963 73.152,27.36 72.771,27.741 72.771,30.535 v1(72.517,30.789) ; v1(72.644,64.825) 73.787,64.825 74.041,65.079 74.041,76.763 73.152,77.652 73.152,79.049 72.771,79.43 72.771,82.224 v1(72.517,82.478) ; v1(75.184,32.313) 75.184,33.964 81.026,33.964 81.407,33.837 v1(81.28,34.218) 82.042,34.218 v1(84.455,31.932) ; v1(75.184,84.002) 75.184,85.653 81.026,85.653 81.407,85.526 v1(81.28,85.907) 82.042,85.907 v1(84.455,83.621) ; v1(75.311,24.058) 77.216,24.058 79.883,21.391 79.883,17.2 80.772,16.184 87.376,16.184 89.281,14.279 91.313,14.279 94.615,17.581 94.742,17.581 ; v1(75.311,75.747) 77.216,75.747 79.883,73.08 79.883,68.889 80.772,67.873 87.376,67.873 89.281,65.968 91.313,65.968 94.615,69.27 94.742,69.27 ; v1(75.946,18.724) 77.851,18.724 80.518,15.676 81.407,15.676 85.598,11.485 91.059,11.485 ; v1(75.946,70.413) 77.851,70.413 80.518,67.365 81.407,67.365 85.598,63.174 91.059,63.174 ; v1(76.327,25.074) 78.105,25.074 78.994,24.185 v1(83.566,24.185) ; v1(76.327,30.916) 80.01,30.916 81.915,28.884 83.566,28.884 85.598,26.852 85.598,24.185 86.233,23.55 88.138,23.55 89.281,22.407 89.281,22.28 ; v1(76.327,76.763) 78.105,76.763 78.994,75.874 v1(83.566,75.874) ; v1(76.327,82.605) 80.01,82.605 81.915,80.573 83.566,80.573 85.598,78.541 85.598,75.874 86.233,75.239 88.138,75.239 89.281,74.096 89.281,73.969 ; v1(76.581,26.725) 77.089,27.233 81.28,27.233 83.312,25.328 v1(83.82,25.328) ; v1(76.581,78.414) 77.089,78.922 81.28,78.922 83.312,77.017 v1(83.82,77.017) ; v1(77.089,29.011) 79.756,29.011 81.026,27.868 82.931,27.868 84.582,26.217 84.582,22.788 86.36,21.01 88.138,21.01 89.281,19.867 89.281,19.74 ; v1(77.089,80.7) 79.756,80.7 81.026,79.557 82.931,79.557 84.582,77.906 84.582,74.477 86.36,72.699 88.138,72.699 89.281,71.556 89.281,71.429 ; v1(77.216,30.027) 79.629,30.027 81.28,28.376 83.312,28.376 85.09,26.598 85.09,23.931 86.741,22.28 ; v1(77.216,81.716) 79.629,81.716 81.28,80.065 83.312,80.065 85.09,78.287 85.09,75.62 86.741,73.969 ; 89.281,24.82 89.408,24.693 89.408,25.074 88.011,26.471 86.995,26.471 84.074,29.392 82.423,29.392 80.264,31.551 77.216,31.551 76.962,31.805 75.946,31.805 74.93,30.789 v1(72.517,30.789) ; 89.281,76.509 89.408,76.382 89.408,76.763 88.011,78.16 86.995,78.16 84.074,81.081 82.423,81.081 80.264,83.24 77.216,83.24 76.962,83.494 75.946,83.494 74.93,82.478 v1(72.517,82.478)
  Bottom w0.305: v1(17.907,19.359) 21.59,23.677 21.59,26.979 v1(21.209,27.36) ; v1(18.542,69.651) 22.225,73.969 22.225,77.271 v1(21.844,77.652) ; v1(32.385,31.043) 36.068,30.916 v1(36.83,32.567) ; v1(33.02,81.335) 36.703,81.208 v1(37.465,82.859) ; v1(68.834,18.851) 72.517,23.169 72.517,26.471 v1(72.136,26.852) ; v1(68.834,70.54) 72.517,74.858 72.517,78.16 v1(72.136,78.541) ; v1(83.312,30.535) 86.995,30.408 v1(87.757,32.059) ; v1(83.312,82.224) 86.995,82.097 v1(87.757,83.748)
  Bottom w0.406: v1(31.115,17.708) 38.354,17.708 40.132,19.486 40.132,30.916 v1(38.989,32.059) ; v1(31.75,68) 38.989,68 40.767,69.778 40.767,81.208 v1(39.624,82.351) ; v1(82.042,17.2) 89.281,17.2 91.059,18.978 91.059,30.408 v1(89.916,31.551) ; v1(82.042,68.889) 89.281,68.889 91.059,70.667 91.059,82.097 v1(89.916,83.24)
  Bottom w0.61: 5.588,24.693 7.239,24.693 7.747,24.185 7.747,24.312 ccw(c25.158,25.258) 17.272,9.707 18.669,9.707 v1(18.669,9.834) ; 6.223,74.985 7.874,74.985 8.382,74.477 8.382,74.604 ccw(c25.793,75.55) 17.907,59.999 19.304,59.999 v1(19.304,60.126) ; 10.16,37.393 17.526,35.361 ; 10.795,87.685 18.161,85.653 ; v1@41.402,24.693 44.704,24.693 ; v1@42.037,74.985 45.339,74.985 ; 56.515,24.185 58.166,24.185 58.674,23.677 58.674,23.804 ccw(c76.085,24.75) 68.199,9.199 69.596,9.199 v1(69.596,9.326) ; 56.515,75.874 58.166,75.874 58.674,75.366 58.674,75.493 ccw(c76.085,76.439) 68.199,60.888 69.596,60.888 v1(69.596,61.015) ; 61.087,36.885 68.453,34.853 ; 61.087,88.574 68.453,86.542 ; v1@92.329,24.185 95.631,24.185 ; v1@92.329,75.874 95.631,75.874
  other v1: 78.359,9.326 70.866,9.453 27.432,9.834 19.939,9.961 70.993,13.263 76.073,13.644 20.066,13.771 25.146,14.152 63.627,14.66 12.7,15.168 89.916,16.184 69.977,16.438 38.989,16.692 19.05,16.946 61.214,20.375 10.287,20.883 81.407,22.28 30.48,22.788 83.82,22.788 66.675,22.915 32.893,23.296 15.748,23.423 92.075,24.185 41.148,24.693 79.883,25.963 28.956,26.471 74.168,26.471 23.241,26.979 89.916,28.884 38.989,29.392 61.722,29.519 10.795,30.027 86.36,31.805 35.433,32.313 81.128,33.075 30.201,33.583 28.067,60.126 20.574,60.253 78.359,61.015 70.866,61.142 20.701,64.063 25.781,64.444 70.993,64.952 76.073,65.333 13.335,65.46 63.627,66.349 39.624,66.984 19.685,67.238 89.916,67.873 69.977,68.127 10.922,71.175 61.214,72.064 31.115,73.08 33.528,73.588 16.383,73.715 81.407,73.969 83.82,74.477 66.675,74.604 41.783,74.985 92.075,75.874 29.591,76.763 23.876,77.271 79.883,77.652 74.168,78.16 39.624,79.684 11.43,80.319 89.916,80.573 61.722,81.208 36.068,82.605 86.36,83.494 30.836,83.875 81.128,84.764

## Polygon pours and split planes (outlines as drawn)
no net on Top "Polygon_1_Net_GND" (solid, remove dead copper, pour order 40): 76.073,59.237 ccw(c76.073,75.874) 92.71,75.874 ccw(c76.073,75.874) 76.073,92.511 ccw(c76.073,75.874) 59.436,75.874 ccw(c76.073,75.874)
no net on Top "Polygon_3_Net_GND" (solid, remove dead copper, pour order 38): 70.231,97.845 70.231,91.241 81.915,91.241 81.915,97.845
no net on Top "Polygon_3_Net_GND" (solid, remove dead copper, pour order 36): 19.939,96.956 19.939,90.352 31.623,90.352 31.623,96.956
no net on Top "Polygon_1_Net_GND" (solid, remove dead copper, pour order 34): 25.781,58.348 ccw(c25.781,74.985) 42.418,74.985 ccw(c25.781,74.985) 25.781,91.622 ccw(c25.781,74.985) 9.144,74.985 ccw(c25.781,74.985)
no net on Top "Polygon_1_Net_GND" (solid, remove dead copper, pour order 30): 25.146,8.056 ccw(c25.146,24.693) 41.783,24.693 ccw(c25.146,24.693) 25.146,41.33 ccw(c25.146,24.693) 8.509,24.693 ccw(c25.146,24.693)
no net on Top "Polygon_3_Net_GND" (solid, remove dead copper, pour order 28): 19.304,46.664 19.304,40.06 30.988,40.06 30.988,46.664
no net on Top "Polygon_3_Net_GND" (solid, remove dead copper, pour order 24): 70.231,46.156 70.231,39.552 81.915,39.552 81.915,46.156
no net on Top "Polygon_1_Net_GND" (solid, remove dead copper, pour order 22): 76.073,7.548 ccw(c76.073,24.185) 92.71,24.185 ccw(c76.073,24.185) 76.073,40.822 ccw(c76.073,24.185) 59.436,24.185 ccw(c76.073,24.185)
no net on Bottom "Polygon_2_Net_GND" (solid, remove dead copper, pour order 44): 76.073,59.237 ccw(c76.073,75.874) 92.71,75.874 ccw(c76.073,75.874) 76.073,92.511 ccw(c76.073,75.874) 59.436,75.874 ccw(c76.073,75.874)
no net on Bottom "Polygon_2_Net_GND" (solid, remove dead copper, pour order 42): 25.781,58.348 ccw(c25.781,74.985) 42.418,74.985 ccw(c25.781,74.985) 25.781,91.622 ccw(c25.781,74.985) 9.144,74.985 ccw(c25.781,74.985)
no net on Bottom "Polygon_2_Net_GND" (solid, remove dead copper, pour order 32): 25.146,8.056 ccw(c25.146,24.693) 41.783,24.693 ccw(c25.146,24.693) 25.146,41.33 ccw(c25.146,24.693) 8.509,24.693 ccw(c25.146,24.693)
no net on Bottom "Polygon_2_Net_GND" (solid, remove dead copper, pour order 26): 76.073,7.548 ccw(c76.073,24.185) 92.71,24.185 ccw(c76.073,24.185) 76.073,40.822 ccw(c76.073,24.185) 59.436,24.185 ccw(c76.073,24.185)

## Keep-outs
Keep-Out Layer:
  lines w0: 2.921,24.693 cw(c25.157,24.781) 21.209,46.664 29.083,46.664 cw(c25.135,24.781) 47.371,24.693 cw(c25.146,24.693) 25.146,2.468 cw(c25.146,24.693) 2.921,24.693 ; 3.556,74.985 ccw(c25.781,74.985) 25.781,52.76 ccw(c25.781,74.985) 48.006,74.985 ccw(c25.77,75.073) 29.718,96.956 21.844,96.956 ccw(c25.792,75.073) 3.556,74.985 ; 53.848,24.185 ccw(c76.073,24.185) 76.073,1.96 ccw(c76.073,24.185) 98.298,24.185 ccw(c76.062,24.273) 80.01,46.156 72.136,46.156 ccw(c76.084,24.273) 53.848,24.185 ; 53.848,75.874 cw(c76.084,75.962) 72.136,97.845 80.01,97.845 cw(c76.062,75.962) 98.298,75.874 cw(c76.073,75.874) 76.073,53.649 cw(c76.073,75.874) 53.848,75.874

## Silkscreen, mask and mechanical layers (free items; w line width, h text height)
Top Overlay:
  text "Designed by TingliangZHANG" at 37.211,44.577 h1.52
Dimension:
  lines w0: 2.921,24.693 ccw(c25.146,24.693) 25.146,2.468 ccw(c25.146,24.693) 47.371,24.693 ccw(c25.135,24.781) 29.083,46.664 21.209,46.664 ccw(c25.157,24.781) 2.921,24.693 ; 3.556,74.985 cw(c25.792,75.073) 21.844,96.956 29.718,96.956 cw(c25.77,75.073) 48.006,74.985 cw(c25.781,74.985) 25.781,52.76 cw(c25.781,74.985) 3.556,74.985 ; 53.848,24.185 cw(c76.084,24.273) 72.136,46.156 80.01,46.156 cw(c76.062,24.273) 98.298,24.185 cw(c76.073,24.185) 76.073,1.96 cw(c76.073,24.185) 53.848,24.185 ; 53.848,75.874 ccw(c76.073,75.874) 76.073,53.649 ccw(c76.073,75.874) 98.298,75.874 ccw(c76.062,75.962) 80.01,97.845 72.136,97.845 ccw(c76.084,75.962) 53.848,75.874
Reference:
  circle w0.254: c76.073,75.874 r22.225
  circle w0.254: c25.781,74.985 r22.225
  circle w0.254: c25.146,24.693 r22.225
  circle w0.254: c76.073,24.185 r22.225
  lines w0.254: 0,0 100,0 100,100 0,100
Top Assembly:
  circle w0.406: c90.551,69.778 r0.284
  circle w0.406: c40.259,68.889 r0.284
  circle w0.406: c39.624,18.597 r0.284
  circle w0.406: c90.551,18.089 r0.284
  text "GND" at 68.58,92.003 h1.08 r210
  text "GND" at 18.288,91.114 h1.08 r210
  text "3.3V" at 86.614,90.225 h1.08 r150
  text "3.3V" at 36.322,89.336 h1.08 r150
  text "SCL" at 63.5,88.447 h1.08 r230
  text "SCL" at 13.208,87.558 h1.08 r230
  text "D7" at 84.937,87.135 h0.86 r90
  text "PWR" at 68.199,86.923 h0.86 r90
  text "adafruit!" at 72.577,86.675 h0.97
  text "D10" at 90.297,86.415 h1.08 r130
  text "D7" at 34.645,86.246 h0.86 r90
  text "PWR" at 17.907,86.034 h0.86 r90
  text "adafruit!" at 22.285,85.786 h0.97
  text "D10" at 40.005,85.526 h1.08 r130
  text "RX" at 64.389,85.272 h0.86
  text "TX" at 66.421,85.272 h0.86
  text "RX" at 14.097,84.383 h0.86
  text "TX" at 16.129,84.383 h0.86
  text "SDA" at 59.944,83.367 h1.08 r250
  text "SDA" at 9.652,82.478 h1.08 r250
  text "D9" at 93.091,80.446 h1.08 r110
  text "OFF" at 63.119,79.811 h1.08
  text "D9" at 42.799,79.557 h1.08 r110
  text "OFF" at 12.827,78.922 h1.08
  text "GND" at 93.599,74.223 h1.08 r90
  text "3.3V" at 59.69,73.969 h1.08 r90
  text "GND" at 43.307,73.334 h1.08 r90
  text "3.3V" at 9.398,73.08 h1.08 r90
  text "RX" at 59.331,70.718 h1.08 r290
  text "ON" at 63.119,70.286 h1.08
  text "RX" at 9.039,69.829 h1.08 r290
  text "D6" at 92.22,69.496 h1.08 r70
  text "ON" at 12.827,69.397 h1.08
  text "D6" at 41.928,68.607 h1.08 r70
  text "TX" at 62.279,65.128 h1.08 r310
  text "TX" at 11.987,64.239 h1.08 r310
  text "D12" at 89.136,64.223 h1.08 r50
  text "D12" at 38.844,63.334 h1.08 r50
  text "GND" at 66.437,61.265 h1.08 r330
  text "GND" at 16.145,60.376 h1.08 r330
  text "VBATT" at 82.919,59.467 h1.08 r30
  text "VBATT" at 32.627,58.578 h1.08 r30
  text "GND" at 17.653,40.822 h1.08 r210
  text "GND" at 68.58,40.314 h1.08 r210
  text "3.3V" at 35.687,39.044 h1.08 r150
  text "3.3V" at 86.614,38.536 h1.08 r150
  text "SCL" at 12.573,37.266 h1.08 r230
  text "SCL" at 63.5,36.758 h1.08 r230
  text "D7" at 34.01,35.954 h0.86 r90
  text "PWR" at 17.272,35.742 h0.86 r90
  text "adafruit!" at 21.65,35.494 h0.97
  text "D7" at 84.937,35.446 h0.86 r90
  text "D10" at 39.37,35.234 h1.08 r130
  text "PWR" at 68.199,35.234 h0.86 r90
  text "adafruit!" at 72.577,34.986 h0.97
  text "D10" at 90.297,34.726 h1.08 r130
  text "RX" at 13.462,34.091 h0.86
  text "TX" at 15.494,34.091 h0.86
  text "RX" at 64.389,33.583 h0.86
  text "TX" at 66.421,33.583 h0.86
  text "SDA" at 9.017,32.186 h1.08 r250
  text "SDA" at 59.944,31.678 h1.08 r250
  text "D9" at 42.164,29.265 h1.08 r110
  text "D9" at 93.091,28.757 h1.08 r110
  text "OFF" at 12.192,28.63 h1.08
  text "OFF" at 63.119,28.122 h1.08
  text "GND" at 42.672,23.042 h1.08 r90
  text "3.3V" at 8.763,22.788 h1.08 r90
  text "GND" at 93.599,22.534 h1.08 r90
  text "3.3V" at 59.69,22.28 h1.08 r90
  text "RX" at 8.404,19.537 h1.08 r290
  text "ON" at 12.192,19.105 h1.08
  text "RX" at 59.331,19.029 h1.08 r290
  text "ON" at 63.119,18.597 h1.08
  text "D6" at 41.293,18.315 h1.08 r70
  text "D6" at 92.22,17.807 h1.08 r70
  text "TX" at 11.352,13.947 h1.08 r310
  text "TX" at 62.279,13.439 h1.08 r310
  text "D12" at 38.209,13.042 h1.08 r50
  text "D12" at 89.136,12.534 h1.08 r50
  text "GND" at 15.51,10.084 h1.08 r330
  text "GND" at 66.437,9.576 h1.08 r330
  text "VBATT" at 31.992,8.286 h1.08 r30
  text "VBATT" at 82.919,7.778 h1.08 r30
Bottom Assembly:
  text "Mainboard version B" at 86.095,68.727 h1.08
  text "Mainboard version B" at 35.803,67.838 h1.08
  text "Atmega32u4 @ 8 MHz" at 85.645,66.568 h1.08
  text "Atmega32u4 @ 8 MHz" at 35.353,65.679 h1.08
  text "VBatt: 3-9VDC" at 82.767,64.409 h1.08
  text "VBatt: 3-9VDC" at 32.475,63.52 h1.08
  text "Mainboard version B" at 35.168,17.546 h1.08
  text "Mainboard version B" at 86.095,17.038 h1.08
  text "Atmega32u4 @ 8 MHz" at 34.718,15.387 h1.08
  text "Atmega32u4 @ 8 MHz" at 85.645,14.879 h1.08
  text "VBatt: 3-9VDC" at 31.84,13.228 h1.08
  text "VBatt: 3-9VDC" at 82.767,12.72 h1.08

## Dimensions
76.073,75.874 to 76.073,86.972 on Unrouted
25.781,74.985 to 25.781,86.083 on Unrouted
25.146,24.693 to 25.146,35.791 on Unrouted
76.073,24.185 to 76.073,35.283 on Unrouted

## Text inside footprints (layer, text, board x,y; h text height)
BATT_1: Top Assembly "+" at 73.787,11.739 h2.2 r180; Top Assembly "-" at 79.502,11.739 h2.2 r180
BATT_1_1: Top Assembly "+" at 22.86,12.247 h2.2 r180; Top Assembly "-" at 28.575,12.247 h2.2 r180
BATT_1_1_1: Top Assembly "+" at 23.495,62.539 h2.2 r180; Top Assembly "-" at 29.21,62.539 h2.2 r180
BATT_1_2: Top Assembly "+" at 73.787,63.428 h2.2 r180; Top Assembly "-" at 79.502,63.428 h2.2 r180
CN1_1: Assembly Top "PCB EDGE" at 76.073,45.838 h0.63 r180
CN1_1_1: Assembly Top "PCB EDGE" at 25.146,46.346 h0.63 r180
CN1_1_1_1: Assembly Top "PCB EDGE" at 25.781,96.638 h0.63 r180
CN1_1_2: Assembly Top "PCB EDGE" at 76.073,97.527 h0.63 r180
L_1: Assembly Top "A" at 83.158,37.904 h0.39 r180; Assembly Top "C" at 83.158,35.304 h0.39 r180
L_1_1: Assembly Top "A" at 32.231,38.412 h0.39 r180; Assembly Top "C" at 32.231,35.812 h0.39 r180
L_1_1_1: Assembly Top "A" at 32.866,88.704 h0.39 r180; Assembly Top "C" at 32.866,86.104 h0.39 r180
L_1_2: Assembly Top "A" at 83.158,89.593 h0.39 r180; Assembly Top "C" at 83.158,86.993 h0.39 r180
PWR_1: Assembly Top "A" at 69.188,38.031 h0.39 r180; Assembly Top "C" at 69.188,35.431 h0.39 r180
PWR_1_1: Assembly Top "A" at 18.261,38.539 h0.39 r180; Assembly Top "C" at 18.261,35.939 h0.39 r180
PWR_1_1_1: Assembly Top "A" at 18.896,88.831 h0.39 r180; Assembly Top "C" at 18.896,86.231 h0.39 r180
PWR_1_2: Assembly Top "A" at 69.188,89.72 h0.39 r180; Assembly Top "C" at 69.188,87.12 h0.39 r180
RXLED_1: Assembly Top "A" at 65.305,30.278 h0.39; Assembly Top "C" at 65.305,32.877 h0.39
RXLED_1_1: Assembly Top "A" at 14.378,30.786 h0.39; Assembly Top "C" at 14.378,33.385 h0.39
RXLED_1_1_1: Assembly Top "A" at 15.013,81.078 h0.39; Assembly Top "C" at 15.013,83.677 h0.39
RXLED_1_2: Assembly Top "A" at 65.305,81.967 h0.39; Assembly Top "C" at 65.305,84.566 h0.39
TXLED_1: Assembly Top "A" at 67.083,30.278 h0.39; Assembly Top "C" at 67.083,32.877 h0.39
TXLED_1_1: Assembly Top "A" at 16.156,30.786 h0.39; Assembly Top "C" at 16.156,33.385 h0.39
TXLED_1_1_1: Assembly Top "A" at 16.791,81.078 h0.39; Assembly Top "C" at 16.791,83.677 h0.39
TXLED_1_2: Assembly Top "A" at 67.083,81.967 h0.39; Assembly Top "C" at 67.083,84.566 h0.39
U$5_1: Top Assembly ">REV" at 75.794,10.342 h1.57
U$5_1_1: Top Assembly ">REV" at 24.867,10.85 h1.57
U$5_1_1_1: Top Assembly ">REV" at 25.502,61.142 h1.57
U$5_1_2: Top Assembly ">REV" at 75.794,62.031 h1.57